# KiCad board impeller18.kicad_pcb (continued)
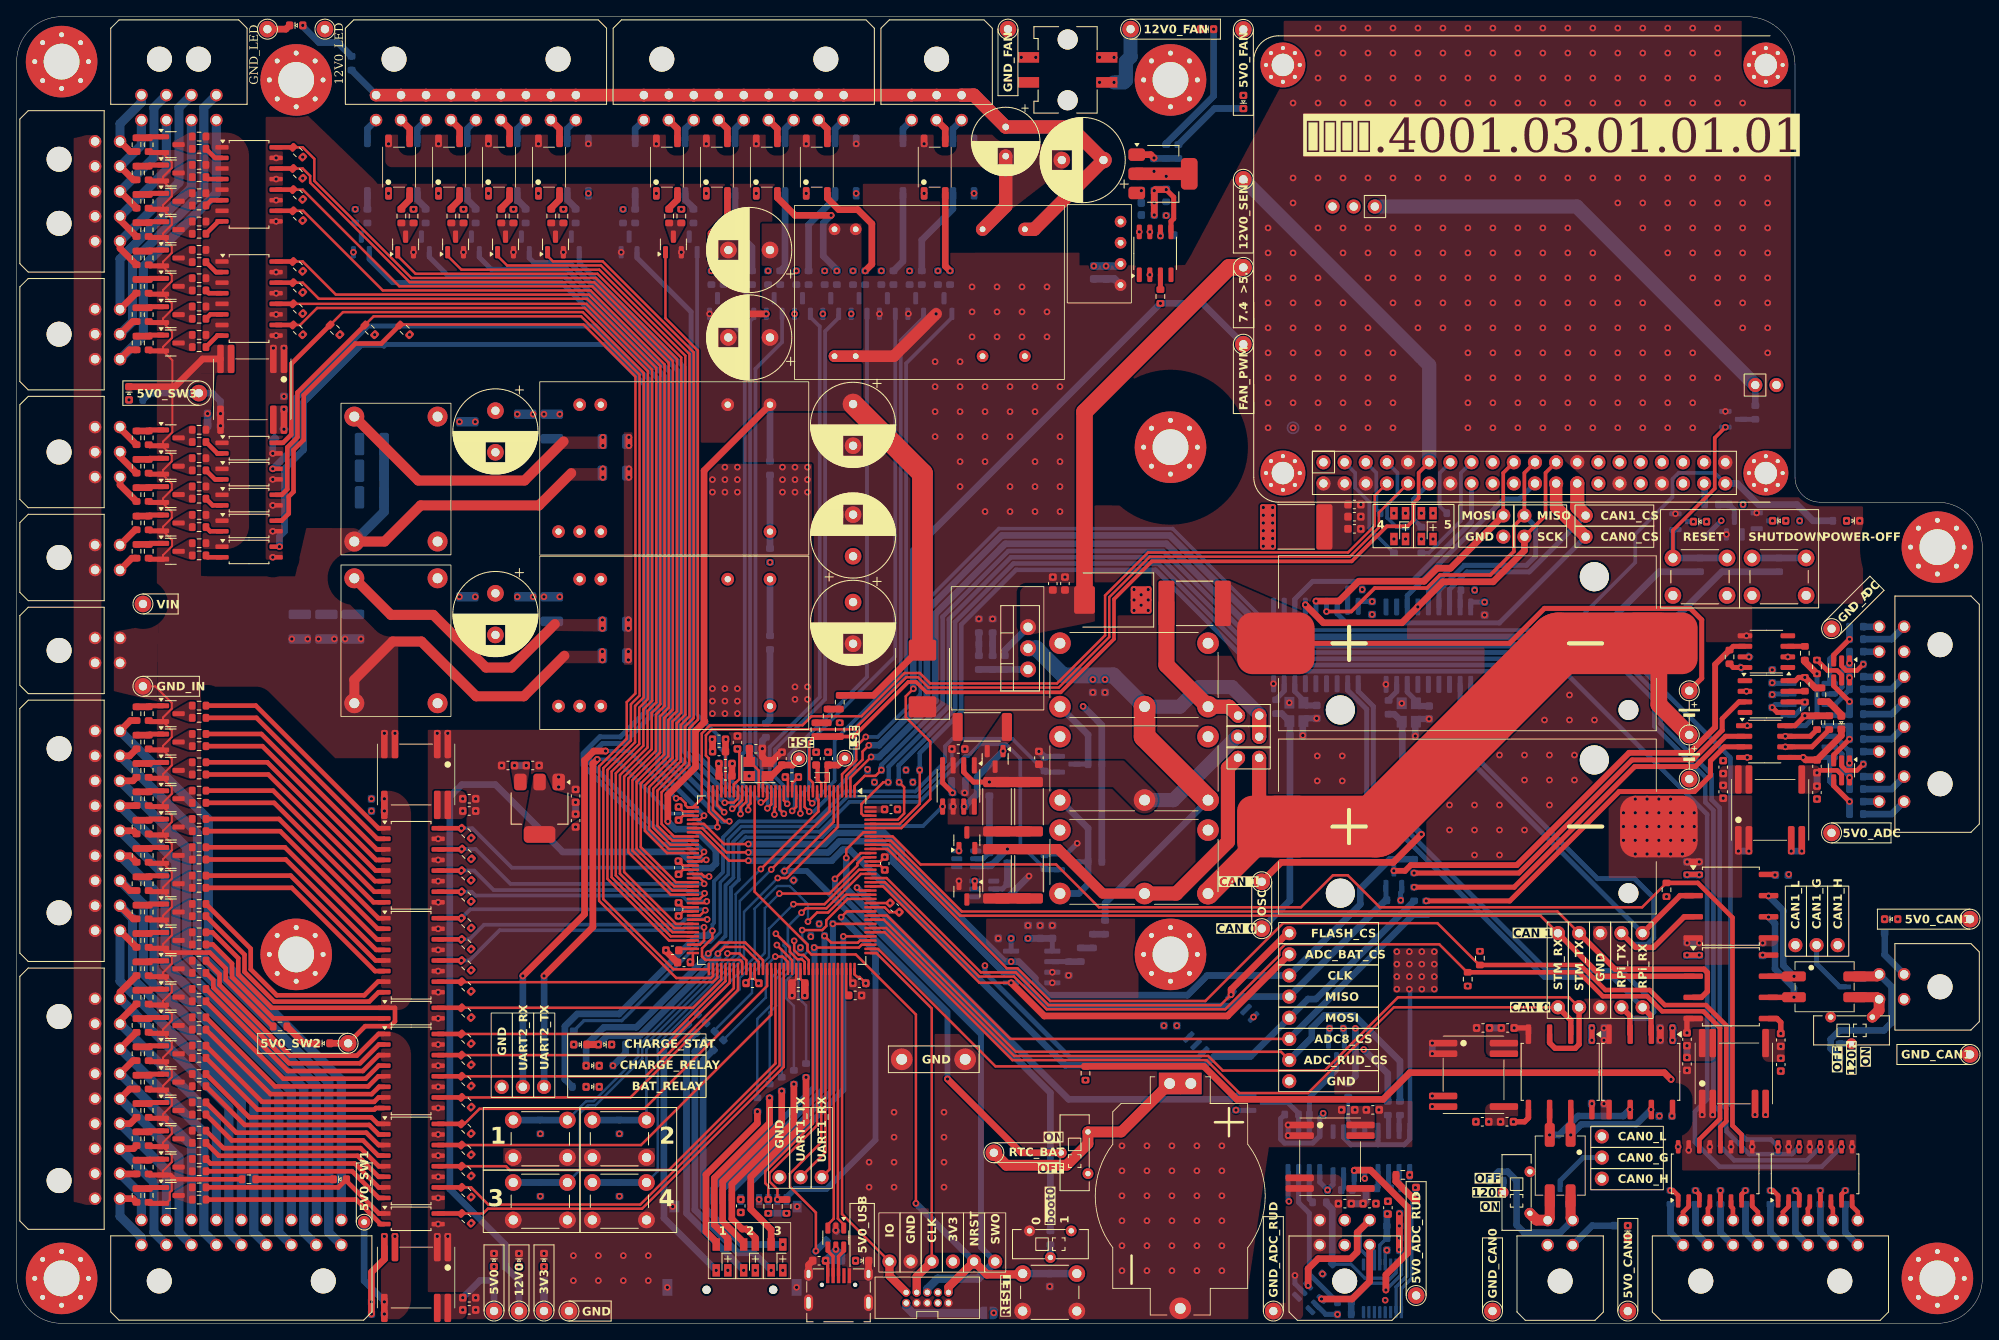
[diagram p0: board, top side]
## Routing (per net, layer and track width the routed paths; a pad name or vN(x,y) marks a point on that pad's centre or on a via; arc(x,y) is an arc through that point) (continued)
CAN0_RPI_INT: length 30.5
  Bottom w0.6: J17.16 174.72,96.23 167.58,89.08 155.64,89.08 153.5,86.95 U12.12
CAN0_STM32_RX: length 98.7
  Top w0.3: U1.114 104.23,46.97 119.59,31.6 142.89,31.6 146.84,27.65 155.1,27.65 165.4,37.95 J12.5
  Top w0.65: U10.2 186.64,36.41 J12.5
CAN0_STM32_TX: length 105.8
  Top w0.3: U1.115 104.44,47.47 119.8,32.1 143.1,32.1 144.85,30.36 157.09,30.36 165.89,39.15 186.45,39.15 J12.4
  Top w0.65: U10.3 184.1,33.69 184.76,33.02 187.18,33.02 187.65,33.49 J12.4
CAN1_RPI_INT: length 22.3
  Bottom w0.6: U16.12 167,87.38 178.62,98.99 180.48,98.99 J17.22
CAN1_STM32_RX: length 105.3
  Top w0.3: J15.5 183.01,48.95 113.3,48.95 104.78,57.47 U1.135
  Top w0.65: U14.2 190.28,41.68 J15.5
CAN1_STM32_TX: length 111.3
  Top w0.3: U1.136 104.99,57.97 113.5,49.45 185.05,49.45 J15.4
  Top w0.65: J15.4 191.97,42.53 202.65,42.53 203.05,42.13 203.05,39.85 202.34,39.14 U14.3
DEBUG_SWD_CLK: length 45
  Top w0.3: J1.3 109.9,37.81 103.24,44.47 U1.109
  Top w1: J2.4 108.1,5.62 J1.3
DEBUG_SWD_IO: length 42
  Top w0.3: J1.1 99.13,13.12 U1.105
  Top w1: J2.2 104.82,5.72 J1.1
DEBUG_SWD_SWO: length 69.4
  Top w0.3: U1.133 101.37,56.47 v1(98.27,53.37)
  Bottom w0.7: v1(98.27,53.37) 98.27,52.21 115.81,34.68 115.81,9.13 J1.6
  Bottom w1: J1.6 115.47,5.37 110.6,5.37 109.37,4.14 J2.6
DIGITAL_IN_1: length 194.8
  Top w0.3: U1.140 106.04,59.97 108.46,62.38 v1(108.46,66.44)
  Bottom w0.55: v1(108.46,66.44) 108.46,68.46 113.45,73.46 113.45,83.91 120.02,90.48 136.78,90.48 148.96,78.3 185.84,78.3 203.03,61.11 203.03,26.9 201.55,25.42 201.55,21.76 204.49,18.82 216.79,18.82 v1(219.16,21.2)
DIGITAL_IN_2: length 194.3
  Top w0.3: v1(105.98,64.98) 106.59,64.37 106.59,61.22 105.83,60.47 U1.141
  Bottom w0.55: v1(216.62,21.2) 215,19.57 206.28,19.57 204.57,21.28 204.57,25.42 203.78,26.21 203.78,61.59 202.81,62.56 202.81,65.57 196.68,71.69 196.68,74.81 192.44,79.05 149.27,79.05 137.09,91.23 119.71,91.23 112.7,84.22 112.7,73.77 105.93,67 105.93,65.03 v1(105.98,64.98)
DIGITAL_IN_3: length 190.3
  Top w0.3: U1.142 101.7,60.97 101.45,61.21 101.45,62.34 104.09,64.98 v1(104.67,64.98)
  Bottom w0.55: v1(214.08,21.2) 213.21,20.32 208.07,20.32 205.32,23.07 205.32,25.73 204.53,26.52 204.53,61.9 203.56,62.87 203.56,65.88 197.43,72.01 197.43,75.12 192.75,79.8 149.58,79.8 137.4,91.98 119.4,91.98 111.95,84.53 111.95,74.08 104.72,66.85 104.72,65.03 v1(104.67,64.98)
DIGITAL_IN_4: length 185.1
  Top w0.3: v1(103.85,66.44) 103.15,65.74 101.84,65.74 100.63,64.53 U1.1
  Bottom w0.55: v1(211.54,21.2) 210.67,22.07 207.73,22.07 206.07,23.74 206.07,26.04 205.82,26.29 205.82,67.92 193.2,80.55 149.89,80.55 137.71,92.73 119.09,92.73 111.2,84.85 111.2,74.39 103.85,67.03 v1(103.85,66.44)
DIGITAL_IN_5: length 141.1
  Top w0.3: U1.137 105.2,58.47 108.56,55.1 124.83,55.1 129.98,49.96 154.24,49.96 158.08,53.8 159.86,53.8 163.71,49.96 195.21,49.96 R308.1
  Top w0.55: U70.10 207.16,22.64 206.07,23.74 206.07,48.72 201.9,52.89 R308.1
DIGITAL_IN_6: length 134.2
  Top w0.3: U1.134 104.58,56.97 118.9,42.64 120.19,42.64 124.12,38.71 142.76,38.71 152.1,48.05 170.63,48.05 175.65,43.03 R310.1
  Top w0.55: U70.12 204.62,23.56 205.32,24.26 205.32,35.77 202.87,38.22 197.93,38.22 196.12,40.02 190.8,40.02 187.8,43.03 R310.1
DIGITAL_IN_7: length 131.4
  Top w0.3: U1.126 104.27,52.97 115.59,41.64 119.78,41.64 123.71,37.71 145.14,37.71 151.63,44.2 151.63,44.81 152.34,45.51 170.85,45.51 174.21,42.15 R312.1
  Top w0.55: U70.14 202.08,22.08 204.57,24.57 204.57,35.46 202.56,37.47 197.62,37.47 195.81,39.27 190.49,39.27 187.61,42.15 R312.1
DIGITAL_IN_8: length 120.5
  Top w0.3: R314.1 117.56,30.85 103.45,44.97 U1.110
  Top w0.8: R314.1 142.58,30.85 146.53,26.9 164.11,26.9 167.31,30.1 197.88,30.1 v1(198.69,29.29)
  In2.Cu w0.8: v1(198.69,29.29) 200.87,29.29 204.69,25.47 204.69,24.22 203.86,23.39 201.73,23.39 v1(199.54,21.2)
FAN_PWM_3V3: length 94
  Top w0.3: v1(107.69,76.2) 106.78,75.29 106.78,72.78 109.72,69.84 109.72,62.94 106.24,59.47 U1.139
  Bottom w0.8: TP6.1 142.42,122.48 v1(137.36,122.48) 107.69,92.8 v1(107.69,76.2)
GPIO-POWEROFF: length 158.8
  Top w0.3: U1.4 99.13,65.93 100.84,67.64 100.84,69.27 v1(101.98,70.41)
  Bottom w0.44: J17.40 203.93,102.12 199.6,102.12 198.85,101.38 198.85,99.22 194.39,94.76 194.39,91.37 186.27,83.24 151.01,83.24 138.82,95.43 117.97,95.43 108.51,85.96 108.51,75.51 103.41,70.41 v1(101.98,70.41)
  Bottom w0.8: R344.1 215.75,96.36 213.8,98.31 209.19,98.31 206.66,100.85 J17.40
GPIO-SHUTDOWN: length 2.6
  Bottom w0.8: J17.38 202.73,100.79 R353.1
LED1_EXT: length 97.7
  Top w0.3: U1.40 82.06,60.47 v1(82.55,60.96)
  Bottom w0.6: v1(82.55,60.96) 82.55,60.97 77,66.52 77,113.41 65.43,124.97 45.14,124.97 42.34,127.77 Q37.1
LED1_RGB_BLUE: length 34.9
  Top w0.3: U1.123 99.6,51.47 97.46,49.33 96.12,49.33 v1(95.03,48.24)
  Bottom w0.3: v1(95.03,48.24) 95.03,50.32 92.84,52.51 91.35,52.51 88.62,49.78 88.62,43.96 R325.2
LED1_RGB_GREEN: length 23.4
  Top w0.3: U1.93 93.13,43.6 v1(91.3,45.43)
  Bottom w0.3: v1(91.3,45.43) 91.87,44.86 91.87,42.73 90.7,41.56 90.7,38.31 88.96,36.57 R317.2
LED1_RGB_RED: length 25.3
  Top w0.3: v1(91.18,46.78) 92.86,45.11 92.86,44.62 93.76,43.72 94.31,43.72 94.63,43.39 U1.96
  Bottom w0.3: R315.2 90.42,37.32 91.2,38.1 91.2,41.35 92.37,42.53 92.37,45.1 92.1,45.37 92.1,45.86 v1(91.18,46.78)
LED1_RPI_RGB_BLUE: length 13.3
  Bottom w0.44: R49.2 162.45,95.49 162.45,98.63 160.75,100.32 160.75,102.12 J17.3
LED1_RPI_RGB_GREEN: length 6.8
  Bottom w0.44: J17.5 163.29,102.12 163.29,97.74 R48.2
LED1_RPI_RGB_RED: length 10.4
  Bottom w0.44: R47.2 165.7,95.63 164.58,96.74 164.58,98.29 165.83,99.54 165.83,102.12 J17.7
LED2_EXT: length 105.1
  Top w0.3: U1.48 78.12,56.47 75.45,59.13 75.45,64.59 78.77,67.91 78.77,72.27 79.81,73.31 79.81,115.97 69.76,126.03 47.91,126.03 45.76,128.17 Q40.1
LED2_RGB_BLUE: length 32.1
  Top w0.3: U1.132 101.7,55.97 100.96,55.23 100.96,54.97 97.6,51.61 v1(91.6,51.61)
  Bottom w0.3: R331.2 86.81,40.08 86.81,41.44 89.85,44.48 89.85,49.86 v1(91.6,51.61)
LED2_RGB_GREEN: length 31.2
  Top w0.3: U1.128 101.39,53.97 97.25,49.83 94.78,49.83 v1(94.26,49.31)
  Bottom w0.3: R329.2 91.88,41.33 92.87,42.32 92.87,45.31 92.63,45.55 92.63,47.67 v1(94.26,49.31)
LED2_RGB_RED: length 20.9
  Top w0.3: U1.97 95.13,43.6 94.49,44.24 93.94,44.24 93.38,44.81 v1(93.38,45.93)
  Bottom w0.3: 93.43,30.37 R327.2 93.34,38.1 92.38,39.06 92.38,41.12 93.38,42.12 v1(93.38,45.93)
LED2_RPI_RGB_BLUE: length 13.9
  Bottom w0.44: R52.2 169.61,92.53 173.45,96.37 173.45,102.12 J17.15
LED2_RPI_RGB_GREEN: length 6.4
  Bottom w0.55: J17.12 167.75,98.96 167.75,96.58 R51.2
LED2_RPI_RGB_RED: length 7
  Bottom w0.44: J17.13 170.91,102.12 170.91,98.12 R50.2
LED3_EXT: length 96.6
  Top w0.3: v1(85.59,60.28) 85,60.28 83.63,61.65 U1.35
  Bottom w0.6: Q43.1 49.56,128.03 51.82,125.78 65.76,125.78 77.8,113.74 77.8,67.27 84.79,60.28 v1(85.59,60.28)
LED3_RGB_BLUE: length 30.2
  Top w0.3: U1.129 101.17,54.47 97.03,50.33 v1(93.29,50.33)
  Bottom w0.3: v1(93.29,50.33) 90.35,47.39 90.35,43.99 88.31,41.95 88.31,39.69 83.83,35.21 R326.2
LED3_RGB_GREEN: length 27.3
  Top w0.3: U1.122 99.81,50.97 97.23,48.39 97.23,47.71 96.74,47.22 v1(94.34,47.22)
  Bottom w0.3: 94.9,31.2 R318.2 94.8,38.17 94.35,38.63 94.34,38.63 93.9,39.06 93.9,43.56 94.96,44.62 94.96,45.57 94.34,46.19 v1(94.34,47.22)
LED3_RGB_RED: length 15.2
  Top w0.3: U1.92 92.63,43.39 91.98,44.04 v1(91.11,44.04)
  Bottom w0.3: v1(91.11,44.04) 89.98,42.91 89.98,39.12 R316.2
LED4_EXT: length 98.8
  Top w0.3: Q46.1 51.76,128.17 53.41,126.53 69.96,126.53 80.31,116.18 80.31,73.1 79.27,72.06 79.27,67.7 75.95,64.39 75.95,59.34 78.33,56.97 U1.47
LED5_EXT: length 87.6
  Top w0.3: v1(84.97,61.37) 84.13,62.22 U1.34
  Bottom w0.6: Q48.1 55.56,128.01 56.99,126.58 66.09,126.58 78.6,114.07 78.6,67.69 84.91,61.37 v1(84.97,61.37)
LED6_EXT: length 92.6
  Top w0.3: Q50.1 57.76,128.16 58.9,127.03 70.17,127.03 80.81,116.39 80.81,72.89 79.77,71.85 79.77,67.49 76.45,64.18 76.45,59.55 78.53,57.47 U1.46
LED7_EXT: length 81
  Top w0.3: U1.29 86.63,63.04 86.13,62.53 85.05,62.53 v1(85.04,62.52)
  Bottom w0.6: v1(85.04,62.52) 79.4,68.16 79.4,114.4 66.43,127.38 62.12,127.38 61.56,127.93 Q52.1
LED8_EXT: length 86.4
  Top w0.3: U1.45 78.74,57.97 76.95,59.75 76.95,63.97 80.27,67.29 80.27,71.65 81.31,72.69 81.31,116.59 70.38,127.53 64.4,127.53 63.76,128.17 Q54.1
LED9_EXT: length 77.1
  Top w0.3: v1(85.94,61.78) 86.08,61.78 87.13,62.83 U1.28
  Bottom w0.6: Q56.1 67.56,127.37 80.2,114.73 80.2,68.63 85.94,62.89 v1(85.94,61.78)
LED10_EXT: length 75.6
  Top w0.3: v1(86.93,61.16) 86.93,61.93 87.63,62.62 U1.27
  Bottom w0.6: v1(86.93,61.16) 86.93,63.03 81,68.96 81,121.45 74.5,127.94 Q38.1
LED11_EXT: length 76.4
  Top w0.3: Q41.1 77.92,120.69 81.81,116.8 81.81,72.48 80.77,71.44 80.77,67.08 77.45,63.76 77.45,59.96 78.95,58.47 U1.44
LED12_EXT: length 71.9
  Top w0.3: U1.26 88.13,62.42 87.85,62.14 v1(87.85,61.64)
  Bottom w0.45: Q44.1 81.72,73.1 84.35,70.47 84.35,69.16 85.13,68.39 85.13,65.86 87.85,63.14 v1(87.85,61.64)
LED13_EXT: length 62.4
  Top w0.3: U1.22 90.13,63.04 89.64,62.55 v1(89.38,62.55)
  Bottom w0.45: v1(89.38,62.55) 87.15,64.77 87.15,68.35 87.43,68.62 87.43,118.44 85.12,120.75 Q47.1
LED14_EXT: length 62.7
  Top w0.3: v1(90.16,61.84) 90.63,62.31 U1.21
  Bottom w0.45: Q49.1 88.52,120.77 88.08,120.33 88.08,68.39 88.81,67.66 88.81,65.11 90.2,63.72 90.2,61.89 v1(90.16,61.84)
LED15_EXT: length 64.3
  Top w0.3: U1.18 92.13,62.8 v1(92.54,62.38)
  Bottom w0.45: Q51.1 98.72,120.75 97.1,119.13 97.1,74.94 91.09,68.93 91.09,65.59 92.54,64.14 v1(92.54,62.38)
LED16_EXT: length 65.2
  Top w0.3: v1(91.01,61.1) 91.01,61.9 91.13,62.02 U1.20
  Bottom w0.45: Q53.1 91.92,117.81 88.73,114.62 88.73,68.66 89.46,67.93 89.46,65.38 91.01,63.83 v1(91.01,61.1)
LED17_EXT: length 66.5
  Top w0.3: v1(93.14,61.53) 93.62,62.01 93.62,63 93.63,63.01 U1.15
  Bottom w0.45: v1(93.14,61.53) 93.14,61.67 93.43,61.96 93.43,64.93 93.1,65.25 93.1,67.01 92.79,67.32 92.79,68.3 102.12,77.63 Q55.1
LED18_EXT: length 66.6
  Top w0.3: U1.19 91.63,61.7 v1(92.14,61.19)
  Bottom w0.45: Q57.1 95.32,120.82 96.45,119.7 96.45,75.21 90.44,69.19 90.44,65.32 91.66,64.1 91.66,61.67 v1(92.14,61.19)
LED19_EXT: length 67.4
  Top w0.3: U1.14 94.13,62.8 94.12,62.8 v1(94.12,61.23)
  Bottom w0.45: Q39.1 105.52,80.11 95.17,69.75 95.17,64.43 94.13,63.39 94.13,61.23 v1(94.12,61.23)
LED20_EXT: length 69.8
  Top w0.3: U1.13 94.63,62.01 v1(95.19,61.45)
  Bottom w0.45: Q42.1 112.32,120.77 106.82,115.27 106.82,77.68 100.65,71.5 100.65,66.39 95.71,61.45 v1(95.19,61.45)
LED21_EXT: length 65.9
  Top w0.3: U1.12 95.13,62.87 v1(95.54,62.45)
  Bottom w0.45: Q45.1 108.92,120.77 106.17,118.02 106.17,77.95 98.24,70.02 98.24,65.15 v1(95.54,62.45)
PACK_CHARGE+: length 23.5
  Top w0.6: R19.1 114.93,65 113.74,66.18 U6.2
  Top w1.225: R19.1 R18.2
  Bottom w1.7: K1.11 138.92,62.83 146.53,70.44 J7.1
  vias: v1(116.82,65)
RPi-RESET: length 131.3
  Top w0.3: U1.3 99.63,65.72 101.59,67.68 101.59,68.65 v1(102.35,69.41)
  Bottom w0.8: v1(102.35,69.41) 103.57,69.41 109.33,75.17 109.33,85.62 118.31,94.61 138.48,94.61 150.67,82.42 189.44,82.42 197.26,90.25 R343.1
RPi-SHUTDOWN: length 139.6
  Top w0.3: v1(102.62,68.01) 100.13,65.52 U1.2
  Bottom w0.8: R349.1 204.79,90.25 195.97,81.42 150.25,81.42 138.07,93.61 118.73,93.61 110.33,85.21 110.33,74.75 103.58,68.01 v1(102.62,68.01)
SD_CD: length 46.1
  Top w0.3: U1.119 99.7,49.47 v1(99.01,48.77)
  Bottom w0.7: R319.2 103.14,22.03 97.26,16.15 93.47,16.15 92.47,15.14 J32.9
  Bottom w0.8: R319.2 103.14,44.64 v1(99.01,48.77)
SDIO_CLK: length 39.5
  Top w0.3: v1(99.29,46.47) U1.113
  Bottom w0.7: v1(99.29,46.47) 99.29,28.02 88.07,16.8 J32.5
SDIO_CMD: length 42.6
  Top w0.3: v1(98.03,47.97) U1.116
  Bottom w0.7: J32.3 85.87,15.87 98.03,28.03 v1(98.03,47.97)
SDIO_DAT0: length 30.2
  Top w0.3: U1.98 95.63,23.98 89.91,18.25 89.91,16.84 90.27,16.48 v1(90.27,14.87)
SDIO_DAT1: length 31.5
  Top w0.3: v1(91.37,14.87) 91.37,16.08 90.41,17.04 90.41,18.05 96.13,23.77 U1.99
  Top w0.8: 92.46,14.87 v1(91.37,14.87)
SDIO_DAT2: length 42.1
  Top w0.3: U1.111 101.49,45.47 101.15,45.12 v1(95.78,45.12)
  Bottom w0.7: R324.2 95.83,44.99 95.83,28.38 83.67,16.21 J32.1
SDIO_DAT3: length 42.7
  Top w0.3: v1(97.02,46.51) 97.81,45.72 101.04,45.72 101.29,45.97 U1.112
  Bottom w0.7: v1(97.02,46.51) 97.02,28.3 84.77,16.04 J32.2
SPI1_RPi_CAN0_CS: length 43.3
  Top w1.5: J17.24 184.88,97.99 188.42,94.45 J37.1
  Bottom w0.6: J37.1 178.07,84.1 159.69,84.1 158.58,85.21 U12.16
SPI1_RPi_CAN1_CS: length 26.4
  Top w1.7: J37.2 187.42,97.99 J17.26
  Bottom w0.6: U16.16 172.08,88.14 174.17,90.22 181.65,90.22 J37.2
SPI1_RPi_MISO: length 58
  Top w0.44: v1(157.31,85.47) 160.29,85.47 163.1,88.29 169.38,88.29 170.94,89.86 176.98,89.86 179.81,92.68 179.81,95.73 J38.1 181.07,97.01 181.07,102.12 J17.21
  Bottom w0.6: J38.1 182.43,95.65 182.43,92.13 181.32,91.02 173.84,91.02 170.81,88 U16.15
SPI1_RPi_MOSI: length 48.4
  Top w0.44: J38.3 178.53,97.01 178.53,102.12 J17.19
  Top w0.8: J38.3 172.21,90.68 170.61,90.68 169.04,89.11 161.19,89.11 158.8,86.72 v1(156.04,86.72)
  Bottom w0.6: J38.3 169.54,88.01 U16.14
SPI1_RPi_SCK: length 43
  Top w0.44: J38.2 183.61,97 183.61,102.12 J17.23
  Top w0.8: J38.2 181.08,92.79 177.32,89.04 171.28,89.04 v1(168.27,86.03) 166.37,84.12 156.93,84.12 v1(154.77,86.28)
SPI1_STM32_ADC8_CS: length 79
  Top w0.3: J4.6 119.33,34.15 104.52,48.97 U1.118
  Bottom w0.8: R262.1 167.72,49.07 152.83,34.18
SPI1_STM32_ADC_BAT_CS: length 59.8
  Top w0.3: U1.125 104.06,52.47 115.63,40.89 v1(119.43,40.89)
  Top w0.8: J4.2 145.43,36.91 123.41,36.91 v1(119.43,40.89)
SPI1_STM32_ADC_RUD_CS: length 80.4
  Top w0.3: 152.83,31.61 151.84,32.6 120.01,32.6 104.14,48.47 U1.117
  Bottom w0.8: 166.13,26.8 166.13,31.49 160.64,36.98 157.04,36.98 155.53,35.47 155.53,34.31 152.83,31.61
SPI1_STM32_CLK: length 157.5
  Top w0.3: U1.41 82.54,59.97 84.96,57.55 v1(87.88,57.55)
  In1.Cu w0.8: 152.83,41.77 154.43,41.77 v1(160.78,35.42)
  In2.Cu w0.8: v1(119.43,43.43) 116.76,43.43 v1(116.28,42.96)
  Bottom w0.6: U71.6 141.85,31.88 126.54,31.88 116.28,42.14 v1(116.28,42.96)
  Bottom w0.8: v1(87.88,57.55) 97.06,57.55 98.39,58.88 104.2,58.88 106.26,56.82 106.26,55.83 118.66,43.43 v1(119.43,43.43) 120.34,43.43 122.33,41.45 122.33,40.9 123.83,39.4 140.6,39.4 142.97,41.77 152.83,41.77 ; v1(160.78,35.42) 160.78,29.68 R290.1 ; 152.83,41.77 161.37,50.31 161.37,52.17 164.93,55.72 R260.2 ; 152.83,41.77 152.83,41.8
SPI1_STM32_FLASH_CS: length 60.6
  Top w0.3: v1(145.85,39.47) 144.58,38.21 123.92,38.21 119.98,42.14 115.8,42.14 104.47,53.47 U1.127
  Top w0.8: J4.1 152.62,46.85 145.85,40.09 v1(145.85,39.47)
SPI1_STM32_MISO: length 111.1
  Top w0.3: U1.42 82.34,59.47 85.25,56.55 v1(87.88,56.55)
  In1.Cu w0.8: J4.4 155.52,39.23 v1(159.33,35.42)
  Bottom w0.6: R281.2 164.44,50.92 164.44,52.51 ; v1(159.33,35.42) 159.45,35.3 159.45,33.71
  Bottom w0.8: R281.2 164.4,50.8 J4.4 147.41,39.23 146.27,38.09 123.72,38.09 121.33,40.49 121.33,41.03 120.2,42.16 118.52,42.16 105.26,55.42 105.26,56.4 103.78,57.88 98.8,57.88 97.47,56.55 v1(87.88,56.55)
SPI1_STM32_MOSI: length 125.3
  Top w0.3: U1.43 82.13,58.97 85.54,55.55 v1(87.88,55.55)
  In1.Cu w0.8: v1(161.78,32.88) 156.64,32.88 J4.5
  Bottom w0.8: v1(87.88,55.55) 97.89,55.55 99.22,56.88 100.04,56.88 125.95,30.98 142.74,30.98 U71.5 143.81,32.05 148.19,32.05 J4.5 155.08,38.94 156.04,38.94 R261.2 ; 164.67,26.8 164.67,29.99 v1(161.78,32.88)
SWITCH_1.1_3V3: length 38.6
  Top w0.3: U1.77 85.13,41.09 78.79,34.75 R64.1
  Top w0.55: R64.1 U18.16
SWITCH_1.2_3V3: length 40.3
  Top w0.3: U1.78 85.63,40.88 76.95,32.21 R74.1
  Top w0.55: R74.1 U18.14
SWITCH_1.3_3V3: length 42.2
  Top w0.3: U1.79 86.13,40.25 75.55,29.67 R84.1
  Top w0.55: U18.12 R84.1
SWITCH_1.4_3V3: length 43.9
  Top w0.3: U1.80 86.63,40.04 73.72,27.13 R94.1
  Top w0.55: R94.1 U18.10
SWITCH_1.5_3V3: length 48.4
  Top w0.3: U1.87 90.13,40.52 75.37,25.76 55.58,25.76 53.77,23.95 R104.1
  Top w0.55: U20.16 R104.1
SWITCH_1.6_3V3: length 52
  Top w0.3: U1.88 90.63,37.05 74.98,21.41 R114.1
  Top w0.55: R114.1 U20.14
SWITCH_1.7_3V3: length 57.3
  Top w0.3: R124.1 58.77,18.87 59.23,18.41 78.34,18.41 91.13,31.2 U1.89
  Top w0.55: U20.12 R124.1
SWITCH_1.8_3V3: length 60.4
  Top w0.3: R134.1 54.58,16.33 56.65,14.26 74.9,14.26 91.63,30.99 U1.90
  Top w0.55: U20.10 R134.1
SWITCH_1.9_3V3: length 60.6
  Top w0.3: U1.91 92.13,30.79 75.1,13.76 56.59,13.76 56.02,13.19 R141.1
  Top w0.55: R141.1 U22.4
SWITCH_2.1_3V3: length 37
  Top w0.3: U1.53 82.26,53.97 82.58,53.65 v1(83.16,53.65)
  Top w0.55: U19.16 v1(53.42,59.45)
  Bottom w0.45: v1(83.16,53.65) 81.58,53.65 80.52,54.72 59.46,54.72 54.73,59.45 v1(53.42,59.45)
SWITCH_2.2_3V3: length 35.4
  Top w0.3: U1.54 82.06,53.47 82.57,52.95 v1(82.57,52.77)
  Top w0.55: v1(53.46,56.95) 53.42,56.91 U19.14
  Bottom w0.45: v1(82.57,52.77) 59.3,52.77 55.12,56.95 v1(53.46,56.95)
SWITCH_2.3_3V3: length 34.9
  Top w0.3: U1.59 82.06,50.97 82.61,51.52 v1(82.61,51.64)
  Top w0.55: U19.12 v1(53.42,54.37)
  Bottom w0.45: v1(82.61,51.64) 80.78,51.64 80.4,52.02 57.3,52.02 54.94,54.37 v1(53.42,54.37)
SWITCH_2.4_3V3: length 34.5
  Top w0.3: U1.60 82.67,50.47 v1(82.88,50.68)
  Top w0.55: U19.10 v1(53.42,51.83)
  Bottom w0.45: v1(53.42,51.83) 54.63,51.83 55.09,51.37 79.91,51.37 80.6,50.68 v1(82.88,50.68)
SWITCH_2.5_3V3: length 34.3
  Top w0.3: v1(82.71,49.6) 82.07,48.97 U1.63
  Top w0.55: U21.16 v1(53.42,48.65)
  Bottom w0.45: v1(53.42,48.65) 54.48,49.72 82.6,49.72 v1(82.71,49.6)
SWITCH_2.6_3V3: length 35
  Top w0.3: U1.64 82.89,48.47 v1(82.93,48.5)
  Top w0.55: U21.14 v1(53.42,46.11)
  Bottom w0.45: v1(82.93,48.5) 80.28,48.5 79.63,47.86 56.13,47.86 54.38,46.11 v1(53.42,46.11)
SWITCH_2.7_3V3: length 36.7
  Top w0.3: v1(82.55,47.55) 82.55,45.96 82.06,45.47 U1.70
  Top w0.55: U21.12 v1(53.42,43.57)
  Bottom w0.45: v1(82.55,47.55) 80.25,47.55 79.9,47.21 58.02,47.21 54.38,43.57 v1(53.42,43.57)
SWITCH_2.8_3V3: length 34.8
  Top w0.3: R136.1 53.48,40.97 83.59,40.97 84.13,41.5 U1.75
  Top w0.55: U21.10 R136.1
SWITCH_2.9_3V3: length 36.7
  Top w0.3: U1.76 84.63,41.3 81.22,37.89 R142.1
  Top w0.55: R142.1 U23.4
SWITCH_3.1_3V3: length 128.6
  Top w0.3: R151.1 34.36,141.21 35.75,139.82 35.75,137.18 47.4,125.53 69.55,125.53 79.31,115.76 79.31,73.51 78.27,72.47 78.27,68.12 74.95,64.8 74.95,57.19 79.18,52.97 U1.55
  Top w0.55: U26.16 R151.1
SWITCH_3.2_3V3: length 126.7
  Top w0.3: U1.56 78.97,52.47 74.45,56.98 74.45,65.01 77.77,68.32 77.77,72.68 78.81,73.72 78.81,115.56 69.34,125.03 47.19,125.03 35.25,136.97 35.25,137.77 34.36,138.67 R156.1
  Top w0.55: U26.14 R156.1
SWITCH_3.3_3V3: length 125.4
  Top w0.3: R161.1 34.36,136.13 45.96,124.53 69.13,124.53 78.31,115.35 78.31,73.93 77.27,72.89 77.27,68.53 73.95,65.21 73.95,56.78 78.76,51.97 U1.57
  Top w0.55: U26.12 R161.1
SWITCH_3.4_3V3: length 124.5
  Top w0.3: R166.1 34.41,133.59 43.97,124.03 68.93,124.03 77.81,115.14 77.81,74.14 76.77,73.1 76.77,68.74 73.45,65.42 73.45,56.57 78.56,51.47 U1.58
  Top w0.55: U26.10 R166.1
SWITCH_3.5_3V3: length 124.7
  Top w0.3: U1.65 79.18,47.97 72.95,54.19 72.95,65.63 76.27,68.94 76.27,73.3 77.31,74.34 77.31,114.94 68.72,123.53 38.33,123.53 34.36,127.5 33.19,127.5
  Top w0.55: U27.16 33.19,127.5
SWITCH_3.6_3V3: length 123.9
  Top w0.3: U1.66 78.97,47.47 72.45,53.98 72.45,65.84 75.77,69.15 75.77,73.51 76.81,74.55 76.81,114.73 68.51,123.03 36.29,123.03 34.36,124.96 33.19,124.96
  Top w0.55: U27.14 33.19,124.96
SWITCH_3.7_3V3: length 123.1
  Top w0.3: 33.19,122.42 68.41,122.42 76.31,114.52 76.31,74.76 75.27,73.72 75.27,69.36 71.95,66.04 71.95,53.78 78.76,46.97 U1.67
  Top w0.55: U27.12 33.19,122.42
SWITCH_3.8_3V3: length 123.9
  Top w0.3: 33.19,119.88 34.04,119.88 36.08,121.92 68.2,121.92 75.81,114.31 75.81,74.96 74.77,73.92 74.77,69.57 71.45,66.25 71.45,53.57 78.56,46.47 U1.68
  Top w0.55: U27.10 33.19,119.88
SWITCH_3.9_3V3: length 146
  Top w0.3: 46.02,119.88 46.07,119.93 68.07,119.93 74.31,113.69 74.31,75.63 73.27,74.59 73.27,70.2 69.95,66.88 69.95,50.73 79.22,41.47 83.38,41.47 83.63,41.71 U1.74
  Top w0.55: U29.4 31.82,96.38 32.68,97.23 32.68,99.28 33.25,99.85 33.25,104.87 34.48,106.09 34.48,111.46 40.67,117.65 43.79,117.65 46.02,119.88
SWITCH_3.10_3V3: length 135.8
  Top w0.3: U1.50 82.26,55.47 82.45,55.65 v1(82.82,55.65)
  Bottom w0.6: R195.1 70.6,117.55 75.4,112.75 75.4,73.32 72.51,70.43 70.03,70.43 68.03,68.42 68.03,67.01 77.51,57.52 80.37,57.52 82.24,55.65 v1(82.82,55.65)
  Bottom w0.8: v1(31.56,93.26) 31.56,94.49 32.17,95.1 32.17,102.6 34.46,104.89 34.46,110.61 41.39,117.55 R195.1
SWITCH_4.1_3V3: length 142.5
  Top w0.3: 41.83,119.88 42.87,120.92 67.79,120.92 74.81,113.9 74.81,75.38 73.77,74.34 73.77,69.98 70.45,66.66 70.45,50.94 78.88,42.51 83.09,42.51 U1.73
  Top w0.55: 41.83,119.88 33.73,111.77 33.73,106.41 32.5,105.18 32.5,100.16 31.83,99.49 U31.4
SWITCH_4.2_3V3: length 128.8
  Top w0.3: U1.49 82.06,55.97 82.55,56.46 v1(82.55,56.61)
  Bottom w0.6: R207.1 42.19,119.75 69.52,119.75 76.2,113.08 76.2,72.99 72.84,69.63 70.36,69.63 68.83,68.09 68.83,67.34 77.84,58.32 80.84,58.32 v1(82.55,56.61)
  Bottom w0.8: v1(30.76,102.61) 33.46,105.31 33.46,111.03 R207.1
SWITCH_4.3_3V3: length 134.5
  Top w0.3: U1.69 78.35,45.97 70.95,53.36 70.95,66.46 74.27,69.77 74.27,74.13 75.31,75.17 75.31,114.11 68,121.42 39.19,121.42 37.65,119.88
  Top w0.55: 37.65,119.88 32.98,115.21 32.98,106.72 31.98,105.73 U33.4
UART1_STM32_RX: length 25.4
  Top w0.3: U1.102 97.63,18.49 J3.1
UART1_STM32_TX: length 26.2
  Top w0.3: U1.101 97.13,20.53 J3.2
UART2_STM32_RX: length 168.7
  Top w0.3: J17.8 163.1,99.39 163.1,95.77 159.89,92.56 135.88,92.56 130.72,87.4 130.72,82.61 124.94,76.84 109.72,76.84 108.47,78.09 106.64,78.09 101.45,72.9 95.46,72.9 94.39,71.82 83.27,71.82 82.28,70.83 82.28,63.03 U1.37 80.56,61.97 80.32,62.2 80.32,62.46 79.74,63.04 v1(79.2,63.04)
  Top w0.8: v1(70.73,68.72) 70.73,68.72 69.31,68.72 68.2,67.61 68.2,49.12 v1(60.79,41.72)
  Bottom w0.45: v1(79.2,63.04) 73.53,68.72 70.73,68.72 v1(70.73,68.72)
  Bottom w0.8: v1(60.79,41.72) J5.2
UART2_STM32_TX: length 173.1
  Top w0.3: J17.10 163.6,97.35 163.6,95.56 160.1,92.06 136.09,92.06 131.22,87.19 131.22,82.41 125.15,76.34 109.51,76.34 108.26,77.59 106.85,77.59 100.58,71.32 83.48,71.32 82.78,70.62 82.78,68.17 83.11,67.84 83.13,67.84 U1.36 83.13,61.45 84.16,60.42 v1(84.16,59.58)
  Top w0.8: v1(69.73,67.72) 69.2,67.19 69.2,47.58 v1(63.33,41.72)
  Bottom w0.45: v1(69.73,67.72) 71.97,67.72 78.48,61.22 81.02,61.22 82.65,59.58 v1(84.16,59.58)